# Altium PCB GatewayV2.PcbDoc
Units mil, origin at the board's own origin, x right, y up, seen from the top; angles counter-clockwise.
Board outline 1970 x 2515 mil, 2 copper layers (Top Layer, Bottom Layer); 53 components, 43 nets, 217 pads, 138 vias.
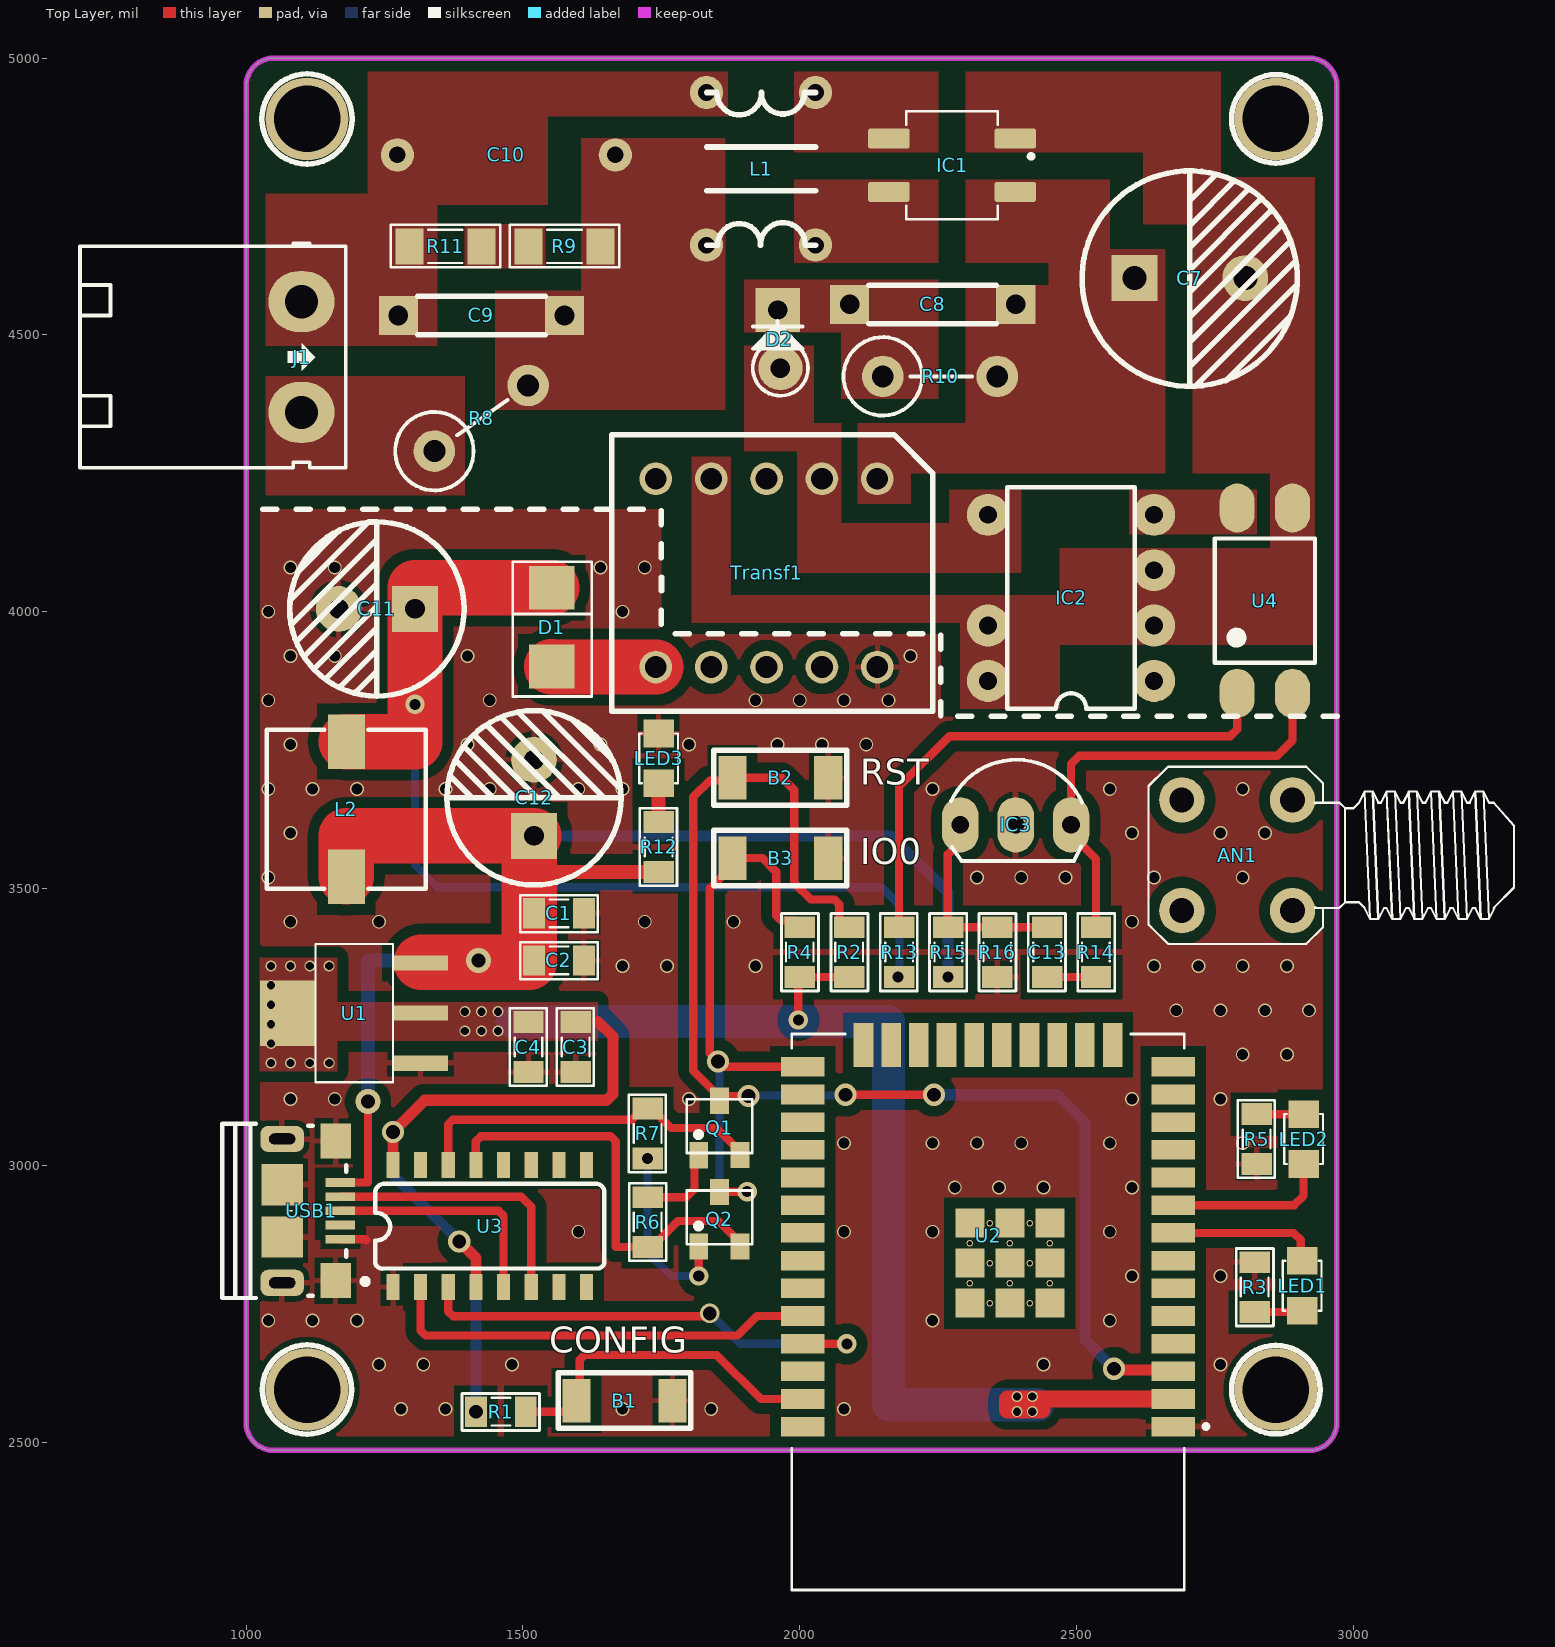
[diagram p0: Top Layer view]
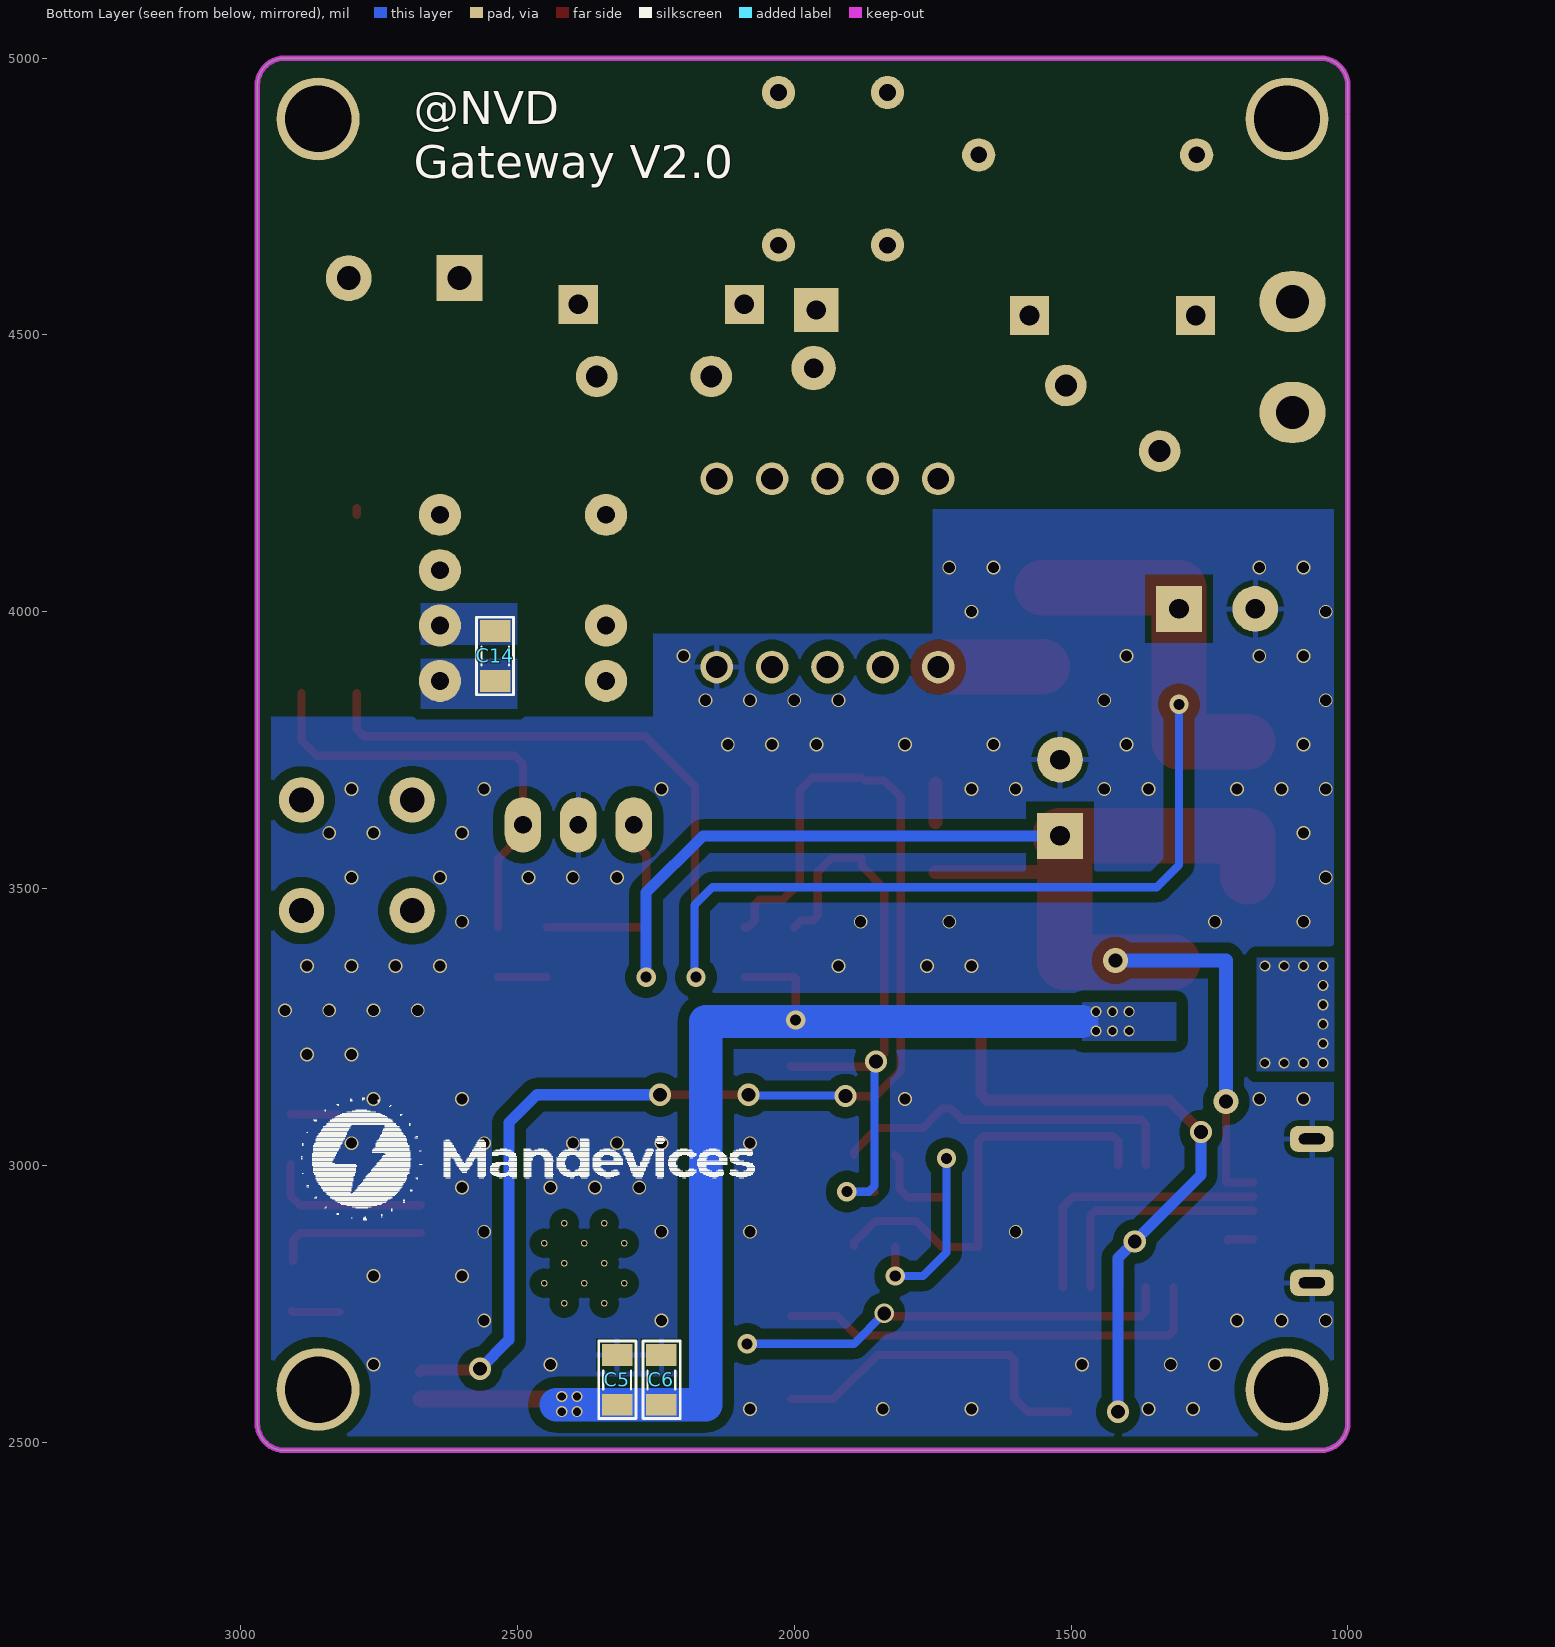
[diagram p1: Bottom Layer view, seen from below]
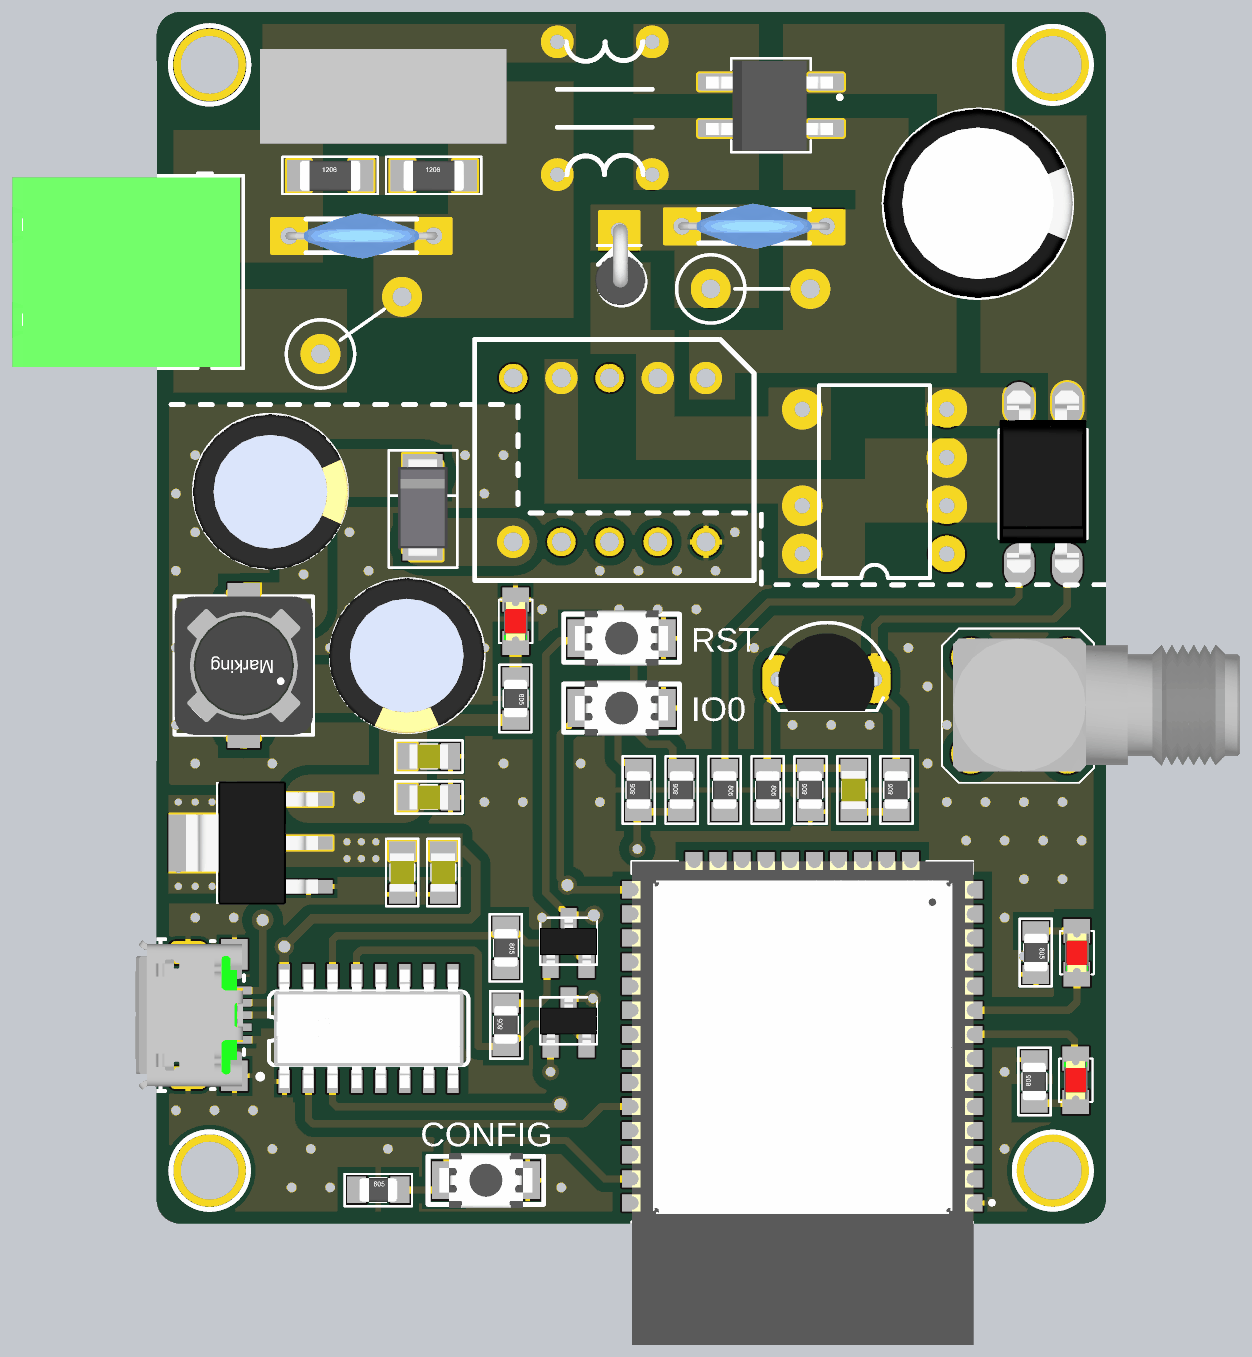
[diagram p2: 3D render of the assembled board from above, using the file's embedded part models]
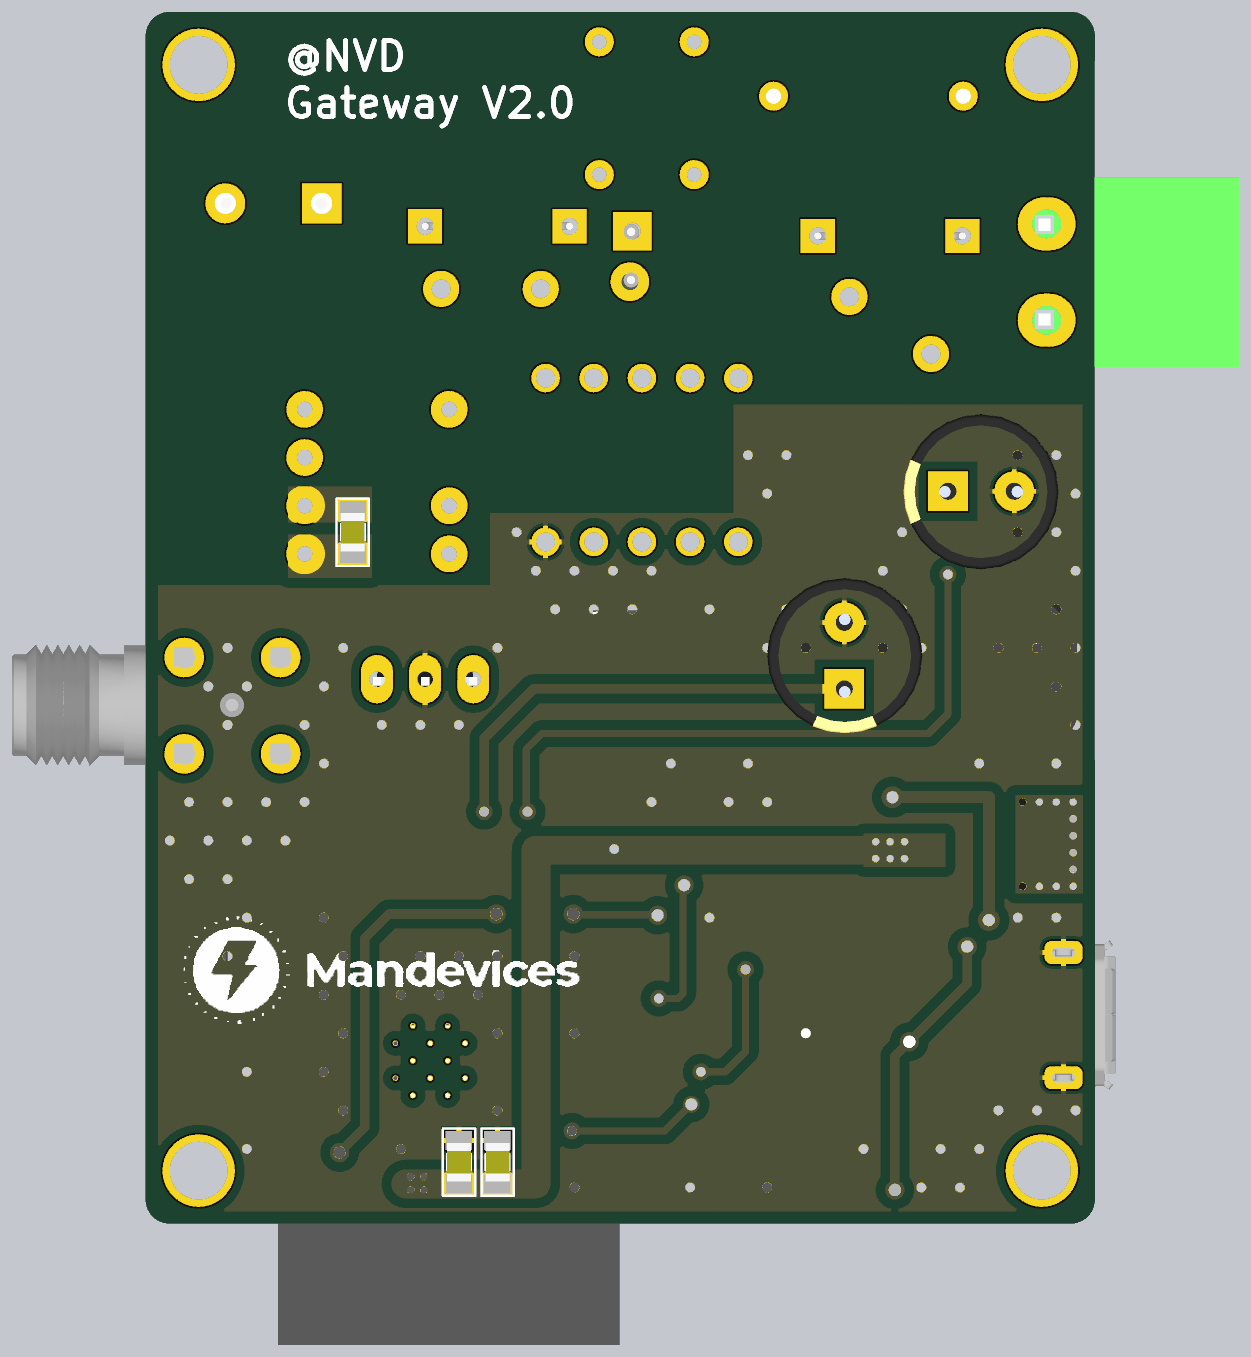
[diagram p3: 3D render of the assembled board from below, using the file's embedded part models]

## Layer stack, top to bottom
Top Solder: solder mask 0.4, Solder Resist, Dk 3.5
Top Layer: signal copper 1.4
Dielectric 1: dielectric 12.6, FR-4, Dk 4.8
Bottom Layer: signal copper 1.4
Bottom Solder: solder mask 0.4, Solder Resist, Dk 3.5

## Board outline
1050.01,2485 cw(c1050.01,2535) 1000.01,2535 1000.01,2570 1000.47,4895 1000,4900 1000,4950 cw(c1050,4950) 1050,5000 2920,5000 cw(c2920,4950) 2970,4950 2970,2535 cw(c2920,2535) 2920,2485

## Design rules (kind name [scope] priority, off if disabled: settings)
Clearance GND_Clearance [InNet('GND')] p1: gap=15 ignorepadtopadclearanceinfootprint=TRUE
Clearance [All] p2: gap=15 ignorepadtopadclearanceinfootprint=TRUE
PolygonConnect [All] p1: thpad.connectstyle=Relief thpad.reliefconductorwidth=10 thpad.reliefentries=4 thpad.polygonreliefangle="90 Angle" thpad.airgapwidth=10 smdpad.connectstyle=Relief smdpad.reliefconductorwidth=10 smdpad.reliefentries=4 smdpad.polygonreliefangle="90 Angle" smdpad.airgapwidth=10 via.connectstyle=Direct via.reliefconductorwidth=10 via.reliefentries=4 via.polygonreliefangle="90 Angle" via.airgapwidth=10
RoutingVias [All] p1: holewidth=28 width=50 viastyle="Through Hole" minholewidth=10 minwidth=10 maxholewidth=100 maxwidth=100
SolderMaskExpansion [All] p1: expansion=4 istentingtop=FALSE
Width [All] p1: maxlimit=100 minlimit=10 preferedwidth=50
30 further rules are at their usual default settings.

## Classes and differential pairs
component class Power: C7 C8 C9 C10 C11 C12 C13 C14 D1 D2 IC1 IC2 IC3 J1 L1 L2 LED3 R8 R9 R10 R11 R12 R13 R14 R15 R16 Transf1 U4
component class ESP32: AN1 B1 B2 B3 C1 C2 C3 C4 C5 C6 LED1 LED2 Q1 Q2 R1 R2 R3 R4 R5 R6 R7 U1 U2 U3 USB1

## Components (designator, comment, footprint, x,y, rotation, side; value= is the part's Value field where it differs from the comment)
AN1 "ANTENA" "DE ANTEN SMA CONG" 2790,3560 r90 top
B1 "Button 3x4x2.5" "Button 3x4x2.5" 1683.39,2575 r180 top
B2 "Button 3x4x2.5" "Button 3x4x2.5" 1965,3700 r180 top
B3 "Button 3x4x2.5" "Button 3x4x2.5" 1965,3555 r180 top
C1 "10uF" CAP_0805 1562.85,3543.11 r0 top value=33p
C2 "100nF" CAP_0805 1562.85,3458.11 r0 top value=33p
C3 "10uF" CAP_0805 1683.11,3215.86 r270 top value=33p
C4 "100nF" CAP_0805 1598.11,3215.86 r270 top value=33p
C5 "100nF" CAP_0805 2408.11,2610.35 r90 bottom value=33p
C6 "10uF" CAP_0805 2328.11,2610.35 r90 bottom value=33p
C7 "10uF/400V" C10mm 2705,4605 r0 top
C8 "1nF/400V" 103/2KV 2390,4555 r180 top
C9 "14D471K" 103/2KV 1275,4535 r0 top
C10 "0.1uF/275v" "Cap AC filter" 1470,4825 r0 top
C11 "680uF/16V" C8mm 1242.75,4002.3 r180 top
C12 "470uF/16V" C8mm 1517.3,3657.25 r90 top
C13 "100nF" CAP_0805 2534.94,3387.15 r270 top value=33p
C14 "100nF" CAP_0805 2451.89,3922.15 r270 bottom value=33p
D1 "SS14" DO-214AC(SMA) 1555,3950 r270 top value=1N5007
D2 "1N4937" DIO-1AN 1960,4495 r270 top value=1N5007
IC1 "MB6S" MB6S 2280,4795 r180 top
IC2 "TNY264" TNY264 2686.85,3808.46 r90 top
IC3 "TL431" qto-92 2390,3615 r0 top
J1 "KF2" KF2-5.08T 1100,4560 r270 top
L1 "Inductor EE8.3" "Inductor EE8.3" 1930,4800 r90 top
L2 "22uH" L_SMD 1175,3655 r0 top value="150 mH"
LED1 "LED" LED-0805-Red 2907.5,2827.5 r270 top value="LED 3 ly Single Colour"
LED2 "LED" LED-0805-Red 2910,3002.5 r90 top value="LED 3 ly Single Colour"
LED3 "LED" LED-0805-Red 1745,3690 r90 top value="LED 3 ly Single Colour"
Q1 "C1815" SOT23D 1855,3067.5 r0 top
Q2 "C1815" SOT23D 1855,2902.5 r0 top
R1 "10k" RES-SMD-0805 1460,2555 r0 top
R2 "10k" RES-SMD-0805 2089.17,3385 r90 top
R3 "1k" RES-SMD-0805 2821.5,2780 r90 top
R4 "10k" RES-SMD-0805 2000,3385 r90 top
R5 "1k" RES-SMD-0805 2825,3047.5 r270 top
R6 "10k" RES-SMD-0805 1725,2897.5 r90 top
R7 "10k" RES-SMD-0805 1725,3057.5 r270 top
R8 "2R/2W" RES-1WW 1393.24,4327.28 r35 top
R9 "1M" RES-SMD-1206 1575,4660 r0 top
R10 "200k/2W" RES-1WW 2215,4425 r0 top
R11 "1M" RES-SMD-1206 1360,4660 r0 top
R12 "1k" RES-SMD-0805 1745,3575 r270 top
R13 "200R" RES-SMD-0805 2179.33,3385 r270 top
R14 "3.3k" RES-SMD-0805 2535,3385 r90 top
R15 "11k" RES-SMD-0805 2268.5,3385 r270 top
R16 "10k" RES-SMD-0805 2356.67,3385 r90 top
Transf1 "Transformer EE12.7" "Transformer EE12.7" 1940,4070 r180 top
U1 "LM1117-ADJ" LM1117-SOP 1265,3275 r90 top
U2 "ESP32-WROOM-32" MODULE_ESP32-WROOM-32 2340,2735 r180 top
U3 "CH340C" SO016 1440,2890.24 r0 top
U4 "OPTO PC817 SMD" SOP4 2840,4020 r90 top value=PC817
USB1 "USB Micro 5p DIP" "USB Micro 5p DIP" 1065,2917.76 r270 top

## Footprints (in the part's own frame and the unit in brackets; to place one, negate y for a bottom-side part, rotate by r counter-clockwise, add the part's x,y. Pads: shape width x height; smd on the part's side, far side on the other; paste and mask are expansions set on the pad)
103/2KV [mm]
  rect 1.8x1.8 hole 0.9: 1(0,0) 2(7.62,0)
  silkscreen extent 0.89,-0.89 6.73,0.89, body extent -0.19,-1.2 7.81,1.19, height 9.03
"Button 3x4x2.5" [mm]
  rect 1.3x2 smd: 1(-2.2,0) 2(2.2,0)
  silkscreen extent -3.05,-1.27 3.05,1.27, body extent -2.45,-1.45 2.45,1.45, height 2
C8mm [mm]
  rect 2.1x2.1 hole 0.9: 1(-1.581,-0.069)
  round 2.1 hole 0.9: 2(1.919,-0.069)
  silkscreen extent -3.83,-4.07 4.17,3.93, body extent -3.93,-4.14 4.27,4.06, height 13.81
C10mm [mm]
  rect 2.1x2.1 hole 1.1: 1(-2.549,-0.062)
  round 2.1 hole 1.1: 2(2.531,-0.062)
  silkscreen extent -4.96,-5.02 4.92,4.85, body extent -5.01,-5.06 4.96,4.94, height 20.01
"Cap AC filter" [mil]
  round 60 hole 30: 1(-196.85,0) 2(196.85,0)
  body extent -256,-98 256,98, height 472
CAP_0805 [mil]
  rect 39.37x55 smd: 1(-42.85,-88.11) 2(47.15,-88.11)
  silkscreen extent -68,-122 72,-55, body extent -38,-114 42,-64, height 24
"DE ANTEN SMA CONG" [mil]
  round 0 all layers, no hole: 1(0,0)
  round 82 hole 45: 2(-100,-100) 3(100,-100) 4(100,100) 5(-100,100)
  silkscreen extent -160,-500 160,160, body extent -136,-457 139,137, height 394
DIO-1AN [mil] "Diode 1A, W 100mil, L 150mil"
  round 80 hole 35: 1(55,5)
  rect 80x80 hole 35: 2(-50,0)
  silkscreen extent -30,-45 105,55, body extent -64,-50 104,55, height 252
DO-214AC(SMA) [mm] "DO-214AC Diode Smallest Size"
  rect 2x2.1 smd: 1(1.245,-0.076) 2(-2.367,-0.076)
  silkscreen extent -3.56,-1.86 2.62,1.76, body extent -3.13,-1.38 2.07,1.22, height 2.4
"Inductor EE8.3" [mil]
  round 60 hole 30: 1(-137.8,-98.43) 2(-137.8,98.43) 3(137.8,-98.43) 4(137.8,98.43)
  silkscreen extent -138,-98 138,98
KF2-5.08T [mil] "Header 2, 2 pin, hight 300mil, Pin to Pin 200, Colour Green"
  oval 110x120 hole 60: 1(0,0) 2(200,0)
  silkscreen extent -105,-400 300,80, body extent -97,-399 297,73, height 334
L_SMD [mm]
  rect 1.7x2.5 smd: 1(0.15,2.8) 2(0.15,-3.4)
  silkscreen extent -3.5,-3.95 3.8,3.35, body extent -3.5,-3.95 3.8,3.35, height 4.05
LED-0805-Red [mil]
  rect 50x55 smd: 1(0,0) 2(90,0)
  silkscreen extent 0,-35 90,35, body extent 5,-25 85,25, height 43
LM1117-SOP [mm]
  rect 0.7x2.54 smd: 1(-2.3,-1.27) 2(0,-1.27) 3(2.3,-1.27)
  rect 3x2.54 smd: 2(0,4.826)
  silkscreen extent -3.18,0 3.17,3.56, body extent -3.25,-1.78 3.25,5.18, height 1.68
MB6S [mm]
  rrect23% 1.91x0.91 smd: 1(-2.774,0.935) 2(-2.774,-1.515) 3(3.026,-1.515) 4(3.026,0.935)
  silkscreen extent -3.6,-2.77 2.23,2.19, body extent -3.15,-2.61 3.55,2.11, height 2.7
MODULE_ESP32-WROOM-32 [mm]
  rect 2x0.9 smd: 1(-8.5,5.26) 2(-8.5,3.99) 3(-8.5,2.72) 4(-8.5,1.45) 5(-8.5,0.18) 6(-8.5,-1.09) 7(-8.5,-2.36) 8(-8.5,-3.63) 9(-8.5,-4.9) 10(-8.5,-6.17) 11(-8.5,-7.44) 12(-8.5,-8.71) 13(-8.5,-9.98) 14(-8.5,-11.25) 25(8.5,-11.25) 26(8.5,-9.98) 27(8.5,-8.71) 28(8.5,-7.44) 29(8.5,-6.17) 30(8.5,-4.9) 31(8.5,-3.63) 32(8.5,-2.36) 33(8.5,-1.09) 34(8.5,0.18) 35(8.5,1.45) 36(8.5,2.72) 37(8.5,3.99) 38(8.5,5.26)
  rect 0.9x2 smd: 15(-5.715,-12.25) 16(-4.445,-12.25) 17(-3.175,-12.25) 18(-1.905,-12.25) 19(-0.635,-12.25) 20(0.635,-12.25) 21(1.905,-12.25) 22(3.175,-12.25) 23(4.445,-12.25) 24(5.715,-12.25)
  rect 1.33x1.33 smd: 39_1(-2.835,-0.405) 39_2(-1,-0.405) 39_3(0.835,-0.405) 39_4(-2.835,-2.24) 39_5(-1,-2.24) 39_6(0.835,-2.24) 39_7(-2.835,-4.075) 39_8(-1,-4.075) 39_9(0.835,-4.075)
  round 0.3 hole 0.2: 39_10(-1.917,-0.405) 39_11(-0.082,-0.405) 39_12(-2.835,-1.322) 39_13(-1,-1.322) 39_14(0.835,-1.322) 39_15(-1.917,-2.24) 39_16(-0.082,-2.24) 39_17(-2.835,-3.157) 39_18(-1,-3.157) 39_19(0.835,-3.157) 39_20(-1.917,-4.075) 39_21(-0.082,-4.075)
  silkscreen extent -10.1,-12.75 9,12.75, body extent -9.02,-12.75 8.98,12.75, height 3.2
qto-92 [mil] "TO-92"
  oval 66x100 hole 32: 1(-100,0) 2(0,0) 3(100,0)
  silkscreen extent -117,-65 120,118, body extent -109,-66 109,95, height 245
RES-1WW [mm]
  round 1.905 hole 1: 1(-1.651,0) 2(3.6,0)
  silkscreen extent -3.45,-1.8 2.45,1.8
RES-SMD-0805 [mil]
  rect 39.37x55 smd: 1(-45,0) 2(45,0)
  silkscreen extent -70,-34 70,33, body extent -39,-25 39,25, height 31
RES-SMD-1206 [mil]
  rect 50x65 smd: 1(-65,0) 2(65,0)
  silkscreen extent -99,-38 99,39, body extent -63,-31 63,32, height 40
SO016 [mm]
  rect 0.6x1.2 smd: 1(-4.445,-2.8) 2(-3.175,-2.8) 3(-1.905,-2.8) 4(-0.635,-2.8) 5(0.635,-2.8) 6(1.905,-2.8) 7(3.175,-2.8) 8(4.445,-2.8) 9(4.445,2.8) 10(3.175,2.8) 11(1.905,2.8) 12(0.635,2.8) 13(-0.635,2.8) 14(-1.905,2.8) 15(-3.175,2.8) 16(-4.445,2.8)
  silkscreen extent -5.84,-2.67 5.26,1.95, body extent -4.99,-3.13 4.99,3.1, height 1.58
SOP4 [mm]
  oval 2.25x1.6 smd: 1(-4.25,1.27) 2(-4.25,-1.27) 3(4.25,-1.27) 4(4.25,1.27)
  silkscreen extent -2.85,-2.3 2.85,2.3, body extent -4.67,-2.29 4.93,2.31, height 3.6
SOT23D [mm] "SOT 23C - 1-3-2 - BCE"
  rect 0.85x1.2 smd: 1(-0.95,-1.25) 2(0.94,-1.245) 3(0,1.25)
  silkscreen extent -1.5,-1.14 1.5,1.32, body extent -1.5,-1.17 1.5,1.33, height 1.06
TNY264 [mil] "Opto"
  round 76 hole 32: 1(66.54,46.85) 2(166.54,46.85) 3(266.54,46.85) 4(366.54,46.85) 5(366.54,346.85) 7(166.54,346.85) 8(66.54,346.85)
  silkscreen extent 17,82 417,312
"Transformer EE12.7" [mm]
  round 1.5 hole 1: 1(-5.08,-4.318) 2(-2.54,-4.318) 3(0,-4.318) 4(2.54,-4.318) 5(5.08,-4.318) 6(5.08,4.318) 7(2.54,4.318) 8(0,4.318) 9(-2.54,4.318) 10(-5.08,4.318)
  silkscreen extent -7.62,-6.35 7.11,6.35
"USB Micro 5p DIP" [mm]
  rect 0.4x1.35 smd mask+0.05: 1(-1.3,2.675) 2(-0.65,2.675) 3(0,2.675) 4(0.65,2.675) 5(1.3,2.675)
  rrect60% 1.2x2 hole 0.5 slot 1.2 at 90 deg: 5(-3.3,0) 5(3.3,0)
  rect 1.6x1.4 smd: 5(-3.2,2.45) 5(3.2,2.45)
  rect 1.9x1.9 smd paste-10: 5(-1.2,0) 5(1.2,0)
  silkscreen extent -4,-2.75 4,2.95, body extent -3.93,-2.76 3.93,2.9, height 2.85

## Part data
AN1: library part "ANTEN SMA CONG", "Generic Antenna"
C1 C2 C3 C4 C5 C6 C13 C14: library part CapSMD, "Capacitor", LatestRevisionDate=17-Jul-2002, LatestRevisionNote="Re-released for DXP Platform.", PackageReference=RAD-0.3, Published=8-Jun-2000, Publisher="Altium Limited"
C7 C11 C12: library part "Cap Pol", "Polarized Capacitor (Axial)", LatestRevisionDate=17-Jul-2002, LatestRevisionNote="Re-released for DXP Platform.", PackageReference=POLAR0.8, Published=8-Jun-2000, Publisher="Altium Limited"
C8: library part Cap2KV, "CAP CERAMIC", LatestRevisionDate=17-Jul-2002, LatestRevisionNote="Re-released for DXP Platform.", PackageReference=RAD-0.3, Published=8-Jun-2000, Publisher="Altium Limited"
C9: library part Cap2KV, "Capacitor Ceramic 2KV", LatestRevisionDate=17-Jul-2002, LatestRevisionNote="Re-released for DXP Platform.", PackageReference=RAD-0.3, Published=8-Jun-2000, Publisher="Altium Limited"
C10: library part "Cap AC filter", "Tụ lọc nguồn AC 0.1uf 275v 10mm"
D1: library part "Diode SMD", "Diode Schottky / 1N5819", Code - JEDEC=DO-214-AB, Published=8-Jun-2000, Publisher="Altium Limited", Revision="July-2002: Re-released for DXP Platform."
D2: library part "Diode SMD", "Diode Schottky / 1N4937", Code - JEDEC=DO-214-AB, Published=8-Jun-2000, Publisher="Altium Limited", Revision="July-2002: Re-released for DXP Platform."
IC2: "IC Power"
IC3: "Programmable Shunt Regulator"
J1: Manufacturer="Würth Elektronik eiSos GmbH", partNo=691103110002, ComponentLink1 Description=Manufacturer, ComponentLink1URL=http://www.we-online.com, ComponentLink2 Description=Datasheet, ComponentLink2URL=http://katalog.we-online.de/em/datasheet/6911031100xx.pdf, Created by="Karrer Zheng", Created Date="29 October 2013", NoPins=2
L2: library part Inductor, "CD73R 22uH 1.23A 7345"
LED1 LED2 LED3: "LED Single colour Green and Red"
Q1 Q2: library part 2SC1815, "NPN 600mW, ECB"
R1 R2 R3 R4 R5 R6 R7 R8 R9 R10 R11 R12 R13 R14 R15 R16: library part "Resistor - SMD", "Resistor", Manufacturer="Generic Components", Class=Passive, Published=08/06/2000, Publisher="Altium Hobart Technology Centre"
Transf1: library part "Tranformer EE16"
U1: "800mA Low-Dropout Linear Regulator", Creator="Nguyen Ba Bien", Website=http://group3i.net
U2: "Bluetooth, WiFi Transceiver Module 2.4GHz ~ 2.5GHz Surface Mount", Package="Module Espressif Systems", Digi-Key_Part_Number=1904-1010-1-ND, Digi-Key_Purchase_URL=https://www.digikey.com/product-detail/en/espressif-systems/ESP32-WROOM-32/1904-1010-1-ND/8544305?utm_source=snapeda&utm_medium=aggregator&utm_campaign=symbol, MF="Espressif Systems", MP=ESP32-WROOM-32, SnapEDA_Link=https://www.snapeda.com/parts/ESP32-WROOM-32/Espressif%20Systems/view-part/2753322/?ref=snap
U3: "USB to serial chip CH340", Package=Package, Availability=Unavailable, Check_prices=https://www.snapeda.com/parts/CH340C/WCH/view-part/5428851/?ref=eda, MF=WCH, MP=CH340C, Price=None, SnapEDA_Link=https://www.snapeda.com/parts/CH340C/WCH/view-part/5428851/?ref=snap
U4: "Single Opto"
USB1: "USB Type B", Ma_Hang=MH005145, Ten="MicroUSB MK5P DIP"

## Free pads (board coordinates)
  round 150 hole 120: 0(1110,2595) 0(1110,4890) 0(2860,2595) 0(2860,4890)

## Via types
v1: diameter 25, hole 20, Top Layer to Bottom Layer, tented both sides, 97 vias
v2: diameter 20, hole 15, Top Layer to Bottom Layer, tented both sides, 22 vias
v3: diameter 40, hole 25, Top Layer to Bottom Layer, tented both sides, 8 vias
v4: diameter 35, hole 20, Top Layer to Bottom Layer, tented both sides, 8 vias
v5: diameter 45, hole 25, Top Layer to Bottom Layer, tented both sides, 2 vias
v6: diameter 35, hole 25, Top Layer to Bottom Layer, tented both sides, 1 vias

## Nets (pads, with @x,y where several pads share a name; then routed paths per layer and width w, separated by ;. In a path a pad name is that pad's centre, name@x,y a point inside that pad or via, vN(x,y) a via of type N, cw(c..) or ccw(c..) an arc to the next point about the centre after c; other vN are vias at no path point)
+3.3V: C3.1 C4.1 C5.1 C6.1 R1.1 R2.1 R4.1 U1.2 U2.2 U3.4 U3.16 | length 3492.7
  Top Layer w15: v4(1997.5,3262.5) 1997.5,3337.5 R4.1 R2.1
  Top Layer w20: U3.16 v3(1265,3060) 1322.5,3117.5 1650.78,3117.5 1662.5,3129.22 1662.5,3232.5 1635,3260 ; v3(1385,2862.5) 1415,2832.5 U3.4
  Top Layer w30: 2437.5,2567.5 2437.5,2557.5 2375,2557.5 2375,2577.91 U2.2
  Bottom Layer w20: v3(1265,3060) 1265,2982.5 v3(1385,2862.5) 1415,2832.5 v3(1415,2555)
  Bottom Layer w60: 1480,3260 2160,3260 2160,2567.5 C6.1 C5.1 2430,2567.5
  other v2: 2392.5,2555 2420,2555 2392.5,2582.5 2420,2582.5 1045,3185 1080,3185 1115,3185 1150,3185 1045,3220 1395,3242.5 1425,3242.5 1455,3242.5 1045,3255 1395,3277.5 1425,3277.5 1455,3277.5 1045,3290 1045,3325 1045,3360 1080,3360 1115,3360 1150,3360
+5: C1.1 C2.1 C12.1 L2.2 R12.2 R15.2 U1.3 USB1.1 | length 2663.2
  Top Layer w15: USB1.1 1220,2968.94 v5(1220,3115)
  Top Layer w25: 1511.29,3535 1511.29,3530 R12.2
  Top Layer w100: L2.2 1180.91,3595 C12.1@1511.29,3595 ; U1.3@1316.19,3366.74 1420,3366.74 1511.29,3366.74 1511.29,3455 1511.29,3530 ; 1511.29,3535 C12.1@1511.29,3595 ; C12.1 C12.1@1511.29,3595
  Bottom Layer w20: C12.1 2165,3595 2267.5,3492.5 v4(2267.5,3340)
  Bottom Layer w25: v5(1220,3115) 1220,3370 v5(1420,3370)
CH340_RXD: U2.35 U3.3 | length 872.3
  Top Layer w15: U3.3 1365,2736.29 1373.79,2727.5 1827.09,2727.5 1832.09,2732.5 v6(1837.5,2732.5) ; U2.35 2005.35,2677.5 v4(2085,2677.5)
  Bottom Layer w15: v6(1837.5,2732.5) 1892.5,2677.5 v4(2085,2677.5)
CH340_TXD: U2.34 U3.2 | length 787.4
  Top Layer w15: U3.2 1315,2701.29 1323.79,2692.5 1887.5,2692.5 1922.91,2727.91 U2.34
D_N: U3.6 USB1.2 | length 497.3
  Top Layer w15: USB1.2 1496.65,2943.35 1515,2925 U3.6
D_P: U3.5 USB1.3 | length 427.3
  Top Layer w15: USB1.3 1456.21,2917.76 1465,2908.97 U3.5
DTR: Q2.2 R6.1 U3.13 | length 761.2
  Top Layer w15: U3.13 1415,3043.71 1423.79,3052.5 1658.71,3052.5 1667.5,3043.71 1667.5,2852.5 R6.1 1732.81,2852.5 1779.73,2899.41 1852.98,2899.41 1892,2860.39 Q2.2
EN: B2.2 Q1.3 R2.2 U2.3 | length 2352.1
  Top Layer w15: v3(1907.5,3125) 1863.29,3125 Q1.3 1855,3123.6 1807.5,3171.1 1807.5,3665 1837.5,3695 1873.39,3695 B2.2 1967.5,3700 1990,3677.5 1990,3510 2020,3480 2062.5,3480 2071.29,3471.21 2071.29,3442.18 2083.47,3430 R2.2 ; v3(2082.5,3127.5) v3(2242.5,3127.5)
  Top Layer w20: v3(2567.5,2632.5) 2569.79,2630.21 2672.35,2630.21 U2.3
  Bottom Layer w15: v3(1907.5,3125) 1908.75,3126.25 2081.25,3126.25 v3(2082.5,3127.5)
  Bottom Layer w20: v3(2242.5,3127.5) 2465,3127.5 2515,3077.5 2515,2685 v3(2567.5,2632.5)
GND: B1.1 B2.1 B3.1 C1.2 C2.2 C3.2 C4.2 C5.2 C6.2 C11.2 C12.2 IC3.2 LED3.2 R3.2 R5.2 R16.1 Transf1.10 U1.1 U2.1 U3.1 USB1.5 | length 47.9
  Top Layer w15: USB1.5@1170.32,2866.57 1214.61,2866.57 cw(c1214.61,2864.29) 1216.89,2864.29
  other v1: 1280,2560 1360,2560 1680,2560 1840,2560 2080,2560 1240,2640 1320,2640 1480,2640 2440,2640 2760,2640 1040,2720 1120,2720 1200,2720 2240,2720 2560,2720 2600,2800 2760,2800 1600,2880 2080,2880 2240,2880 2560,2880 2280,2960 2360,2960 2440,2960 2600,2960 2080,3040 2240,3040 2320,3040 2400,3040 2560,3040 2800,3040 1080,3120 1160,3120 1800,3120 2600,3120 2760,3120 2800,3200 2880,3200 2680,3280 2760,3280 2840,3280 2920,3280 1680,3360 1760,3360 1920,3360 2640,3360 2720,3360 2800,3360 2880,3360 1080,3440 1240,3440 1720,3440 1880,3440 2600,3440 1040,3520 2320,3520 2400,3520 2480,3520 2640,3520 2800,3520 1080,3600 2600,3600 2760,3600 2840,3600 1040,3680 1120,3680 1200,3680 1360,3680 1440,3680 1600,3680 1680,3680 2240,3680 2560,3680 2800,3680 1080,3760 1400,3760 1640,3760 1800,3760 1960,3760 2040,3760 2120,3760 1040,3840 1440,3840 1920,3840 2000,3840 2080,3840 2160,3840 1080,3920 1160,3920 1400,3920 2200,3920 1040,4000 1680,4000 1080,4080 1160,4080 1640,4080 1720,4080
GND_AC: C7.2 C14.1 IC1.2 IC2.2 IC2.3 IC2.7 IC2.8 Transf1.4 U4.3
IO0: B3.2 Q2.3 R4.2 U2.25 | length 1099.1
  Top Layer w15: Q2.3 1855.79,2952.5 v4(1905,2952.5) ; R4.2 1987.81,3442.18 1966.29,3442.18 1957.5,3450.97 1957.5,3530 1932.5,3555 B3.2 1878.39,3541.22 1837.5,3500.33 1837.5,3202.5 v3(1852.5,3187.5) 1862.09,3177.91 U2.25 U2.25@2006.4,3178.96
  Bottom Layer w15: v3(1852.5,3187.5) 1855,3185 1855,2962.5 1865,2952.5 v4(1905,2952.5)
IO5: U2.29
IO18: U2.30
IO23: B1.2 R1.2 U2.37 | length 616.7
  Top Layer w15: R1.2 1578.68,2555 1596.77,2573.09 B1.2 1602.5,2580.73 1602.5,2648.71 1611.29,2657.5 1850,2657.5 1929.59,2577.91 U2.37
IO25: U2.10
IO26: U2.11
IO27: U2.12
IO32: LED1.1 U2.8 | length 273.2
  Top Layer w15: U2.8 2892.09,2877.91 2905,2865 LED1.1@2905,2827.5
IO33: LED2.1 U2.9 | length 299.9
  Top Layer w15: U2.9 2892.91,2927.91 2910,2945 LED2.1
IO35: U2.7
NetC7_1: C7.1 C8.1 IC1.1 R10.2 Transf1.1
NetC8_2: C8.2 D2.2 R10.1
NetC9_1: C9.1 C10.1 J1.1 L1.4 R11.1
NetC9_2: C9.2 C10.2 L1.2 R8.2 R9.2
NetC11_1: C11.1 D1.2 L2.1 R13.2 | length 1975.1
  Top Layer w100: L2.1 1305,3765.24 v4(1305,3832.5) C11.1 1305,4043.2 D1.2
  Bottom Layer w15: v4(1305,3832.5) 1305,3542.5 1345,3502.5 2147.5,3502.5 2180,3470 2180,3342.5 v4(2177.5,3340)
NetC13_1: C13.1 IC3.1 R15.1 R16.2 | length 373.1
  Top Layer w15: IC3.1 2290,3584.2 2267.5,3561.7 2267.5,3431 R15.1 C13.1
NetC13_2: C13.2 R14.1 | length 88.2
  Top Layer w15: C13.2 R14.1
NetC14_2: C14.2 IC2.1
NetD1_1: D1.1 Transf1.6 | length 189
  Top Layer w100: D1.1 1552,3900 Transf1.6
NetD2_1: D2.1 IC2.5 Transf1.2
NetIC1_3: IC1.3 L1.3
NetIC1_4: IC1.4 L1.1
NetIC2_4: IC2.4 U4.4 | length 12.3
  Top Layer w15: U4.4@2790,4175 U4.4
NetIC3_3: IC3.3 R14.2 U4.2 | length 819.6
  Top Layer w15: IC3.3 2490,3725 2505,3740 2862.5,3740 2890,3767.5 U4.2 ; IC3.3@2490,3618.2 2490,3598 2535,3553 R14.2
NetJ1_2: J1.2 R8.1
NetLED1_2: LED1.2 R3.1 | length 87
  Top Layer w15: R3.1 2905,2735 LED1.2
NetLED2_2: LED2.2 R5.1 | length 85
  Top Layer w15: R5.1 LED2.2
NetLED3_1: LED3.1 R12.1 | length 70
  Top Layer w25: R12.1 LED3.1
NetQ1_1: Q1.1 R6.2 | length 155.1
  Top Layer w15: R6.2 1795,2942.5 1810,2957.5 1810,3010.69 Q1.1
NetQ2_1: Q2.1 R7.2 | length 333.4
  Top Layer w15: v4(1817.5,2800) v4(1817.5,2800) 1817.55,2853.24 Q2.1
  Bottom Layer w15: v4(1725,3012.5) 1725,2842.5 1767.5,2800 v4(1817.5,2800)
NetR9_1: R9.1 R11.2
NetR13_1: R13.1 U4.1 | length 972.9
  Top Layer w15: R13.1 2179.33,3684.33 2270,3775 2777.5,3775 2790,3787.5 U4.1
RST: Q1.2 R7.1 U3.14 | length 651
  Top Layer w15: U3.14 1365,3073.71 1373.79,3082.5 1697.18,3082.5 1717.19,3102.5 1732.81,3102.5 1767.82,3067.5 1849.89,3067.5 1892,3025.39 Q1.2
pads on no net: AN1.1 AN1.2 AN1.3 AN1.4 AN1.5 Transf1.3 Transf1.5 Transf1.7 Transf1.8 Transf1.9 U2.4 U2.5 U2.6 U2.13 U2.14 U2.15 U2.16 U2.17 U2.18 U2.19 U2.20 U2.21 U2.22 U2.23 U2.24 U2.26 U2.27 U2.28 U2.31 U2.32 U2.33 U2.36 U2.38 U2.39_1 U2.39_2 U2.39_3 U2.39_4 U2.39_5 U2.39_6 U2.39_7 U2.39_8 U2.39_9 U2.39_10 U2.39_11 U2.39_12 U2.39_13 U2.39_14 U2.39_15 U2.39_16 U2.39_17 U2.39_18 U2.39_19 U2.39_20 U2.39_21 U3.7 U3.8 U3.9 U3.10 U3.11 U3.12 U3.15 USB1.4

## Polygon pours and split planes (outlines as drawn)
GND on Top Layer "100" (solid, pour order 36): 1000,4185 1750,4185 1750,3960 2255,3960 2255,3810 2970,3810 2970,2535 cw(c2920,2535) 2920,2485 1050,2485 cw(c1050,2535) 1000,2535
+3.3V on Top Layer "100" (solid, pour order 32): 1025,3375 1025,3170 1165,3170 1165,3375
+3.3V on Top Layer "100" (solid, pour order 31): 1140,3295 1635,3295 1635,3225 1140,3225
GND_AC on Top Layer "100" (solid, pour order 28): 2470,4030 1875,4030 1875,4280 1805,4280 1805,3980 2470,3980
NetC9_1 on Top Layer "100" (solid, pour order 27): 1345,4735 1545,4735 1545,4895 1345,4895
NetIC2_4 on Top Layer "100" (solid, pour order 26): 2595,4140 2825,4140 2825,4220 2595,4220
GND_AC on Top Layer "100" (solid, pour order 25): 2850,4130 2850,4115 2700,4115 2700,3940 2930,3940 2930,4130
GND_AC on Top Layer "100" (solid, pour order 24): 2710,4375 2710,4250 2850,4250 2850,4130 2930,4130 2930,4375
GND_AC on Top Layer "100" (solid, pour order 22): 2290,4025 2290,3825 2470,3825 2470,3940 2700,3940 2700,4115 2470,4115 2470,4025
NetD2_1 on Top Layer "100" (solid, pour order 21): 1900,4480 2025,4480 2025,4340 2075,4340 2075,4160 2270,4160 2270,4220 2400,4220 2400,4070 1995,4070 1995,4290 1900,4290
NetC7_1 on Top Layer "100" (solid, pour order 19): 2660,4375 2660,4250 2200,4250 2200,4195 2105,4195 2105,4340 2300,4340 2300,4375
NetC8_2 on Top Layer "100" (solid, pour order 17): 2135,4600 2250,4600 2250,4385 2075,4385 2075,4518.57
NetC7_1 on Top Layer "100" (solid, pour order 16): 2450,4590 2300,4590 2300,4375 2450,4375
NetC7_1 on Top Layer "100" (solid, pour order 15): 2300,4780 2560,4780 2560,4655 2660,4655 2660,4375 2450,4375 2450,4630 2300,4630
GND_AC on Top Layer "100" (solid, pour order 14): 2620,4830 2620,4700 2710,4700 2710,4830
GND_AC on Top Layer "100" (solid, pour order 11): 2300,4975 2300,4830 2710,4830 2710,4375 2930,4375 2930,4785 2760,4785 2760,4975
NetC8_2 on Top Layer "100" (solid, pour order 9): 1900,4600 2135,4600 2135,4505 1900,4505
NetIC1_4 on Top Layer "100" (solid, pour order 6): 1990,4780 2250,4780 2250,4630 1990,4630
NetIC1_3 on Top Layer "100" (solid, pour order 5): 1990,4975 1990,4830 2250,4830 2250,4975
NetC9_1 on Top Layer "100" (solid, pour order 4): 1220,4945.93 1220,4975 1870,4975 1870,4895 1345,4895
NetC9_2 on Top Layer "100" (solid, pour order 3): 1450,4365 1450,4580 1605,4580 1605,4855 1865,4855 1865,4365
NetR9_1 on Top Layer "100" (solid, pour order 2): 1395,4700 1395,4620 1540,4620 1540,4700
NetJ1_2 on Top Layer "100" (solid, pour order 0): 1035,4425 1035,4210 1395,4210 1395,4425
NetC9_1 on Top Layer "100" (solid, pour order 1): 1035,4480 1345,4480 1345,4950 1220,4950 1220,4755 1035,4755
GND on Bottom Layer "100" (solid, pour order 35): 1000,4185 1750,4185 1750,3960 2255,3960 2255,3810 2970,3810 2970,2535 cw(c2920,2535) 2920,2485 1050,2485 cw(c1050,2535) 1000,2535
+3.3V on Bottom Layer "100" (solid, pour order 33): 1310,3295 1310,3225 1480,3225 1480,3295
+3.3V on Bottom Layer "100" (solid, pour order 30): 1025,3375 1025,3170 1165,3170 1165,3375
GND_AC on Bottom Layer "100" (solid, pour order 29): 2675,3940 2500,3940 2500,4015 2675,4015
NetC14_2 on Bottom Layer "100" (solid, pour order 23): 2500,3915 2675,3915 2675,3825 2500,3825

## Keep-outs
Keep-Out Layer:
  lines w10: 1000,4900 1000,4950 cw(c1050,4950) 1050,5000 1100,5000 2871.65,5000 2920,5000 cw(c2920,4950) 2970,4950 2970,2535 cw(c2920,2535) 2920,2485 1050.01,2485 cw(c1050.01,2535) 1000.01,2535 1000.01,2570 1000.47,4895

## Silkscreen, mask and mechanical layers (free items; w line width, h text height)
Top Overlay:
  circle w10: c2860,2595 r80.04
  circle w10: c1110,2595 r80.51
  circle w10: c2860,4890 r80.04
  circle w10: c1110,4890 r81.39
  lines w10: 1030,4185 1055,4185 ; 1090.36,4184.78 1115.36,4184.78 ; 1150.71,4185 1175.71,4185 ; 1211.07,4185 1236.07,4185 ; 1271.43,4185 1296.43,4185 ; 1331.79,4184.78 1356.79,4184.78 ; 1392.14,4185 1417.14,4185 ; 1452.5,4185 1477.5,4185 ; 1512.5,4185 1537.5,4185 ; 1572.5,4184.78 1597.5,4184.78 ; 1632.5,4185 1657.5,4185 ; 1692.5,4185 1717.5,4185 ; 1750,3977.5 1750,4002.5 ; 1750,4097.5 1750,4122.5 ; 1750,4157.5 1750,4182.5 ; 1750.22,4037.5 1750.22,4062.5 ; 1775,3960 1800,3960 ; 1835,3960 1860,3960 ; 1895,3960.22 1920,3960.22 ; 1955,3960 1980,3960 ; 2017.5,3960 2042.5,3960 ; 2077.5,3960 2102.5,3960 ; 2137.5,3960.22 2162.5,3960.22 ; 2197.5,3960 2222.5,3960 ; 2254.78,3872.5 2254.78,3897.5 ; 2255,3812.5 2255,3837.5 ; 2255,3932.5 2255,3957.5 ; 2285.54,3811.03 2310.54,3811.03 ; 2345.54,3810.81 2370.54,3810.81 ; 2405.54,3811.03 2430.54,3811.03 ; 2465.54,3811.03 2490.54,3811.03 ; 2525.54,3810.81 2550.54,3810.81 ; 2585.54,3811.03 2610.54,3811.03 ; 2645.54,3811.03 2670.54,3811.03 ; 2705.54,3810.81 2730.54,3810.81 ; 2765.54,3811.03 2790.54,3811.03 ; 2825.54,3811.03 2850.54,3811.03 ; 2885.54,3810.81 2910.54,3810.81 ; 2945.54,3811.03 2970.54,3811.03
  text "RST" at 2109.21,3672.29 h80
  text "IO0" at 2109.21,3528.39 h80
  text "CONFIG" at 1547.5,2645.89 h80
Bottom Overlay:
  drawing of 653 lines, arcs and shapes, not listed
  text "@NVD" at 2687.5,4880 h60
  text "Gateway V2.0" at 2687.5,4782.49 h60